# Altium PCB FPGA1.PcbDoc (part 2 of 5)
Units mm, origin at the board's own origin, x right, y up, seen from the top; angles counter-clockwise.
Board outline 170.31 x 110.11 mm, 2 copper layers (Top Layer, Bottom Layer); 219 components, 292 nets, 1138 pads, 447 vias.
Unrouted connection lines stored in the file: 389.
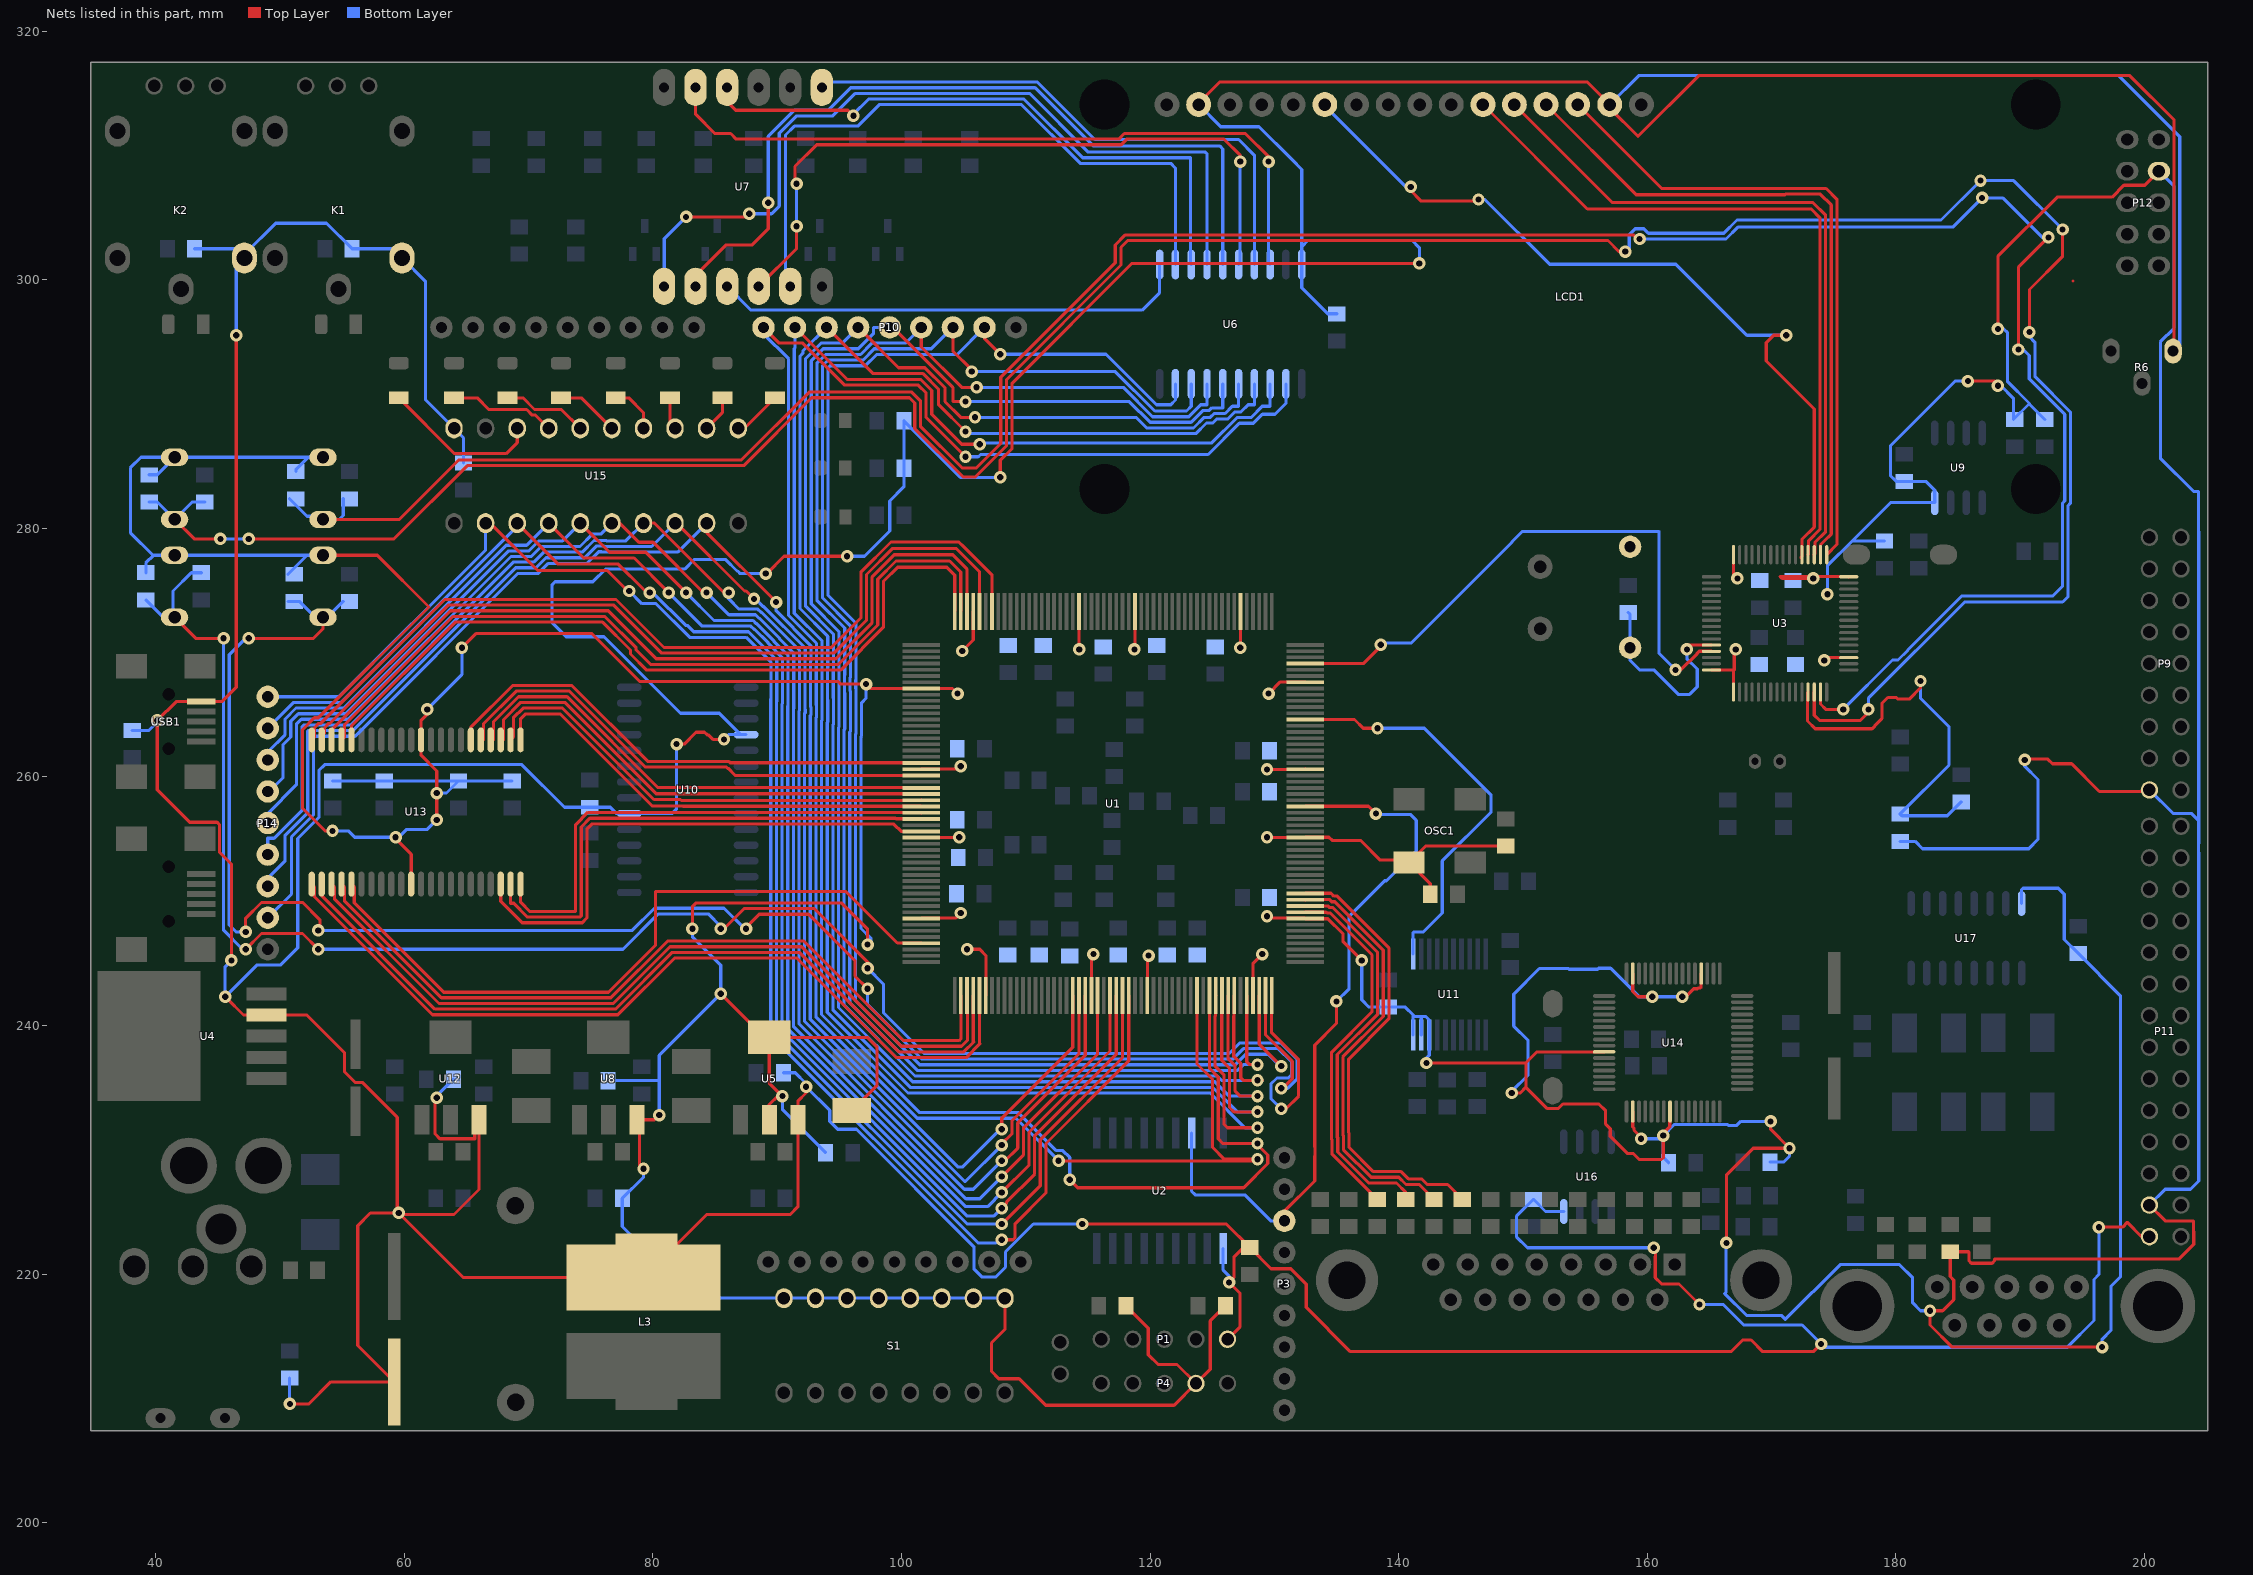
[diagram p2: the nets of this part, all layers, seen from the top]

## Via types
v1: diameter 1, hole 0.5, Top Layer to Bottom Layer, 447 vias

## Nets (pads, with @x,y where several pads share a name; then routed paths per layer and width w, separated by ;. In a path a pad name is that pad's centre, name@x,y a point inside that pad or via, vN(x,y) a via of type N, cw(c..) or ccw(c..) an arc to the next point about the centre after c; other vN are vias at no path point) (continued)
3.3V: C1.2 C2.2 C3.2 C4.2 C5.2 C6.2 C7.2 C8.2 C17.2 C18.2 C25.2 C26.2 C27.2 C28.2 C29.2 C30.2 C31.2 C32.2 C37.2 C38.2 C39.2 C40.2 C43.1 C45.2 C47.2 C48.2 C50.2 C56.2 C57.2 C58.1 C59.1 C66.1 C67.1 C68.1 C69.1 C74.2 C76.2 L1.1 L4.1 L5.1 OSC1.4 P4.4 P9.17 P11.25 P12.4 R1.2 R2.2 R8.2 R14.2 R24.1 R25.1 R48.1 R56.2 S1.9 S1.10 S1.11 S1.12 S1.13 S1.14 S1.15 S1.16 S4.1 S6.2 S7.2 S8.2 S9.2 U1.6 U1.23 U1.32 U1.49 U1.60 U1.73 U1.84 U1.98 U1.110 U1.127 U1.136 U1.153 U1.164 U1.177 U1.188 U1.201 U3.1 U3.19 U3.32 U3.48 U3.64 U5.2 U8.3 U9.8 U11.18 U11.19 U11.20 U13.11 U13.33 U14.20 U14.31 U14.42 U14.50 U14.56 U17.16 | length 872.2
  Top Layer w0.254: S7.2@53.467,277.836 57.825,277.836 61.998,273.663 53.091,264.756 52.775,264.756 51.816,263.797 51.816,257.463 53.628,255.651 v1(54.229,255.651) ; v1(59.309,255.143) 59.309,255.016 60.56,253.765 U13.33@60.56,251.375 ; v1(61.849,265.43) 61.849,265.049 61.36,264.56 U13.11@61.36,262.975 61.36,261.728 62.611,260.477 v1(62.611,258.699) v1(62.611,256.54) ; v1(64.643,270.383) 65.805,271.545 75.069,271.545 78.931,267.683 94.902,267.683 95.123,267.462 v1(97.155,267.462) 97.503,267.114 U1.164@101.595,267.114 104.107,267.114 v1(104.521,266.7) ; v1(79.248,228.473) 78.927,228.794 78.927,232.202 U8.3@78.719,232.41 80.137,232.41 v1(80.518,232.791) ; v1(83.185,247.777) 83.185,249.555 83.49,249.86 95.168,249.86 97.282,247.746 v1(97.282,246.507) ; v1(85.471,242.543) 88.975,239.039 U5.2@89.374,239.039 ; U5.2@89.374,232.41 89.374,233.646 90.043,234.315 v1(90.424,234.315) 89.374,235.365 U5.2@89.374,239.039 ; C43.1@96.01,233.163 98.044,235.197 98.044,238.252 97.257,239.039 U5.2@89.374,239.039 ; U1.201@101.595,248.614 101.618,248.637 104.365,248.637 v1(104.775,249.047) ; U1.188@101.595,255.114 104.613,255.114 104.645,255.146 v1(104.648,255.143) ; U1.177@101.595,260.614 101.618,260.637 104.554,260.637 v1(104.775,260.858) ; v1(104.902,270.129) 105.785,271.012 U1.153@105.785,273.304 ; v1(105.283,246.126) 106.299,246.126 106.794,245.631 106.794,242.42 U1.6@106.785,242.411 ; S1.9@108.331,218.064 108.331,215.546 107.25,214.465 107.25,212.167 107.835,211.582 109.474,211.582 111.614,209.442 121.939,209.442 P4.4@123.698,211.201 ; U1.136@114.294,273.336 114.294,270.262 v1(114.3,270.256) ; U1.23@115.294,242.443 115.294,245.596 v1(115.443,245.745) ; R1.2@118.059,217.449 119.863,215.646 119.863,213.512 120.65,212.725 122.174,212.725 P4.4@123.698,211.201 ; v1(118.745,270.256) 118.794,270.305 U1.127@118.794,273.336 ; U1.32@119.794,242.443 119.794,245.524 v1(119.888,245.618) ; R2.2@126.06,217.449 124.841,216.23 124.841,212.344 P4.4@123.698,211.201 ; v1(127.254,270.383) 127.294,270.423 U1.110@127.294,273.336 ; U1.49@128.294,242.443 128.294,245.007 v1(129.032,245.745) ; v1(129.413,248.793) 129.569,248.637 132.462,248.637 U1.60@132.485,248.614 132.508,248.591 134.308,248.591 135.536,247.363 135.536,246.734 v1(137.033,245.237) ; v1(129.413,255.143) 129.442,255.114 U1.73@132.485,255.114 132.508,255.137 134.388,255.137 134.394,255.143 134.648,254.889 136.933,254.889 138.519,253.303 140.651,253.303 OSC1.4@140.843,253.111 ; v1@129.455,260.646 v1(129.413,260.604) 132.475,260.604 U1.84@132.485,260.614 ; v1(129.54,266.7) 130.486,267.646 130.495,267.637 132.462,267.637 U1.98@132.485,267.614 ; v1(142.24,236.982) 150.241,236.982 ; R56.2@142.545,250.546 142.545,251.409 OSC1.4@140.843,253.111 ; C76.2@148.615,254.432 142.164,254.432 OSC1.4@140.843,253.111 ; v1(149.098,234.569) 149.793,234.569 150.241,235.017 ; U14.42@156.54,237.879 151.138,237.879 150.241,236.982 ; U14.50@158.84,233.079 158.84,231.839 158.942,231.737 158.942,231.583 v1@159.512,231.013 ; U14.31@158.84,244.179 158.84,242.734 159.258,242.316 v1(160.401,242.316) ; U14.56@161.84,233.079 161.817,233.056 161.817,231.852 161.29,231.325 v1(161.29,231.14) 161.29,229.362 161.147,229.219 159.367,229.219 158.897,229.689 158.423,229.689 157.026,231.086 157.026,231.694 156.653,232.067 156.653,233.134 156.107,233.68 153.222,233.68 152.867,233.325 151.933,233.325 150.241,235.017 ; v1(162.814,242.316) 163.105,242.316 163.741,242.952 164.038,242.952 164.102,243.016 164.276,243.016 164.34,243.08 U14.20@164.34,244.179 ; U3.64@165.167,268.601 167.001,268.601 ; v1(166.37,222.504) 166.37,227.964 168.53,230.124 v1(171.45,230.124) 169.926,231.648 v1(169.926,232.283) ; U3.1@166.942,266.826 166.942,268.542 167.001,268.601 ; U3.48@166.942,277.876 166.942,276.035 167.006,275.971 v1(167.259,275.971) ; v1(167.132,270.256) 167.001,270.125 167.001,268.601 ; v1(173.355,275.971) 170.837,275.971 170.699,276.109 176.209,276.109 U3.32@176.217,276.101 ; v1(174.244,269.367) 174.244,269.24 174.605,269.601 U3.19@176.217,269.601 ; v1(185.801,291.846) 187.96,291.846 188.214,291.592 v1(188.214,291.465) ; v1(188.214,296.037) 188.214,301.872 192.985,306.643 197.401,306.643 198.352,307.594 200.025,307.594 P12.4@201.168,308.737 ; v1(190.373,261.366) 190.438,261.431 192.24,261.431 192.613,261.058 194.145,261.058 196.377,258.826 200.279,258.826 P9.17@200.406,258.953 ; v1(196.596,214.122) 184.531,214.122 182.753,215.9 v1(182.753,217.043) 183.769,217.043 184.667,217.941 184.667,219.512 184.379,219.8 R48.1@184.379,221.793 185.858,221.793 185.892,221.759 185.892,221.057 186.083,220.866 187.754,220.866 187.946,221.057 187.946,221.218 202.803,221.218 203.973,222.388 203.973,223.437 203.962,223.448 203.962,224.282 201.676,224.282 P11.25@200.406,225.552 ; 150.241,235.017 150.241,236.982
  Bottom Layer w0.254: C66.1@39.218,276.428 39.218,277.216 39.838,277.836 ; C68.1@39.472,284.302 40.121,284.302 S8.2@41.529,285.71 ; C67.1@50.648,276.301 52.182,277.836 ; C69.1@51.283,284.556 51.283,284.709 52.284,285.71 ; S7.2@53.467,277.836 52.182,277.836 ; S9.2@53.467,285.71 52.284,285.71 ; v1(54.229,255.651) 55.499,255.651 56.007,255.143 v1(59.309,255.143) 59.563,255.143 60.198,255.778 61.849,255.778 v1(62.611,256.54) ; C57.2@54.254,259.664 C56.2@58.395,259.664 C58.1@64.364,259.664 ; v1(61.849,265.43) 64.643,268.224 v1(64.643,270.383) ; v1(62.611,258.699) 63.398,258.699 C58.1@64.364,259.664 ; C59.1@68.682,259.664 C58.1@64.364,259.664 ; C48.2@76.403,235.56 80.416,235.56 80.518,235.458 ; v1(79.248,228.473) 79.248,227.789 R14.2@77.546,226.087 77.546,223.825 83.307,218.064 S1.16@90.551,218.064 S1.15@93.091,218.064 S1.14@95.631,218.064 S1.13@98.171,218.064 S1.12@100.711,218.064 S1.11@103.251,218.064 S1.10@105.791,218.064 S1.9@108.331,218.064 ; v1(80.518,232.791) 80.518,235.458 ; v1(83.185,247.777) 83.185,247.142 85.471,244.856 v1(85.471,242.543) 80.518,237.59 80.518,235.458 ; v1(90.424,234.315) 90.424,233.248 C45.2@93.904,229.768 ; v1(97.155,267.462) 97.155,266.319 96.799,265.963 96.799,263.279 96.753,263.233 96.753,247.798 97.536,247.015 97.536,246.761 v1(97.282,246.507) ; v1(137.033,245.237) 137.033,242.062 137.617,241.478 C50.2@139.167,241.478 140.538,241.478 141.169,240.847 ; U11.20@141.169,239.241 141.169,240.847 ; U11.19@141.819,239.241 141.819,240.705 141.805,240.719 ; v1(142.24,236.982) 142.24,237.363 142.469,237.592 U11.18@142.469,239.241 142.469,240.436 142.186,240.719 141.805,240.719 ; v1(149.098,234.569) 149.098,234.696 150.422,236.02 150.422,238.792 149.268,239.946 149.268,242.52 151.331,244.583 153.648,244.583 153.713,244.518 156.013,244.518 156.097,244.602 157.06,244.602 159.346,242.316 v1(160.401,242.316) v1(162.814,242.316) ; v1(159.512,230.886) 161.036,230.886 v1(161.29,231.14) ; L5.1@161.722,228.956 161.29,229.387 v1(161.29,231.14) ; v1(166.37,222.504) 166.337,222.471 166.337,218.519 166.243,218.425 167.993,216.675 170.787,216.675 171.108,216.354 175.518,220.764 180.302,220.764 181.356,219.71 181.356,217.678 181.991,217.043 v1(182.753,217.043) ; L4.1@169.875,229.006 170.967,229.006 171.45,229.489 v1(171.45,230.124) ; v1(169.926,232.283) 167.54,232.283 167.221,231.964 166.535,231.964 166.47,232.029 162.179,232.029 v1(161.29,231.14) ; v1(174.498,274.701) 174.498,276.987 176.479,278.968 ; R8.2@179.095,278.968 176.479,278.968 ; L1.1@180.365,254.813 181.559,254.813 182.153,254.219 190.693,254.219 191.443,254.969 191.443,259.788 190.373,260.858 v1(190.373,261.366) ; v1(185.801,291.846) 184.785,291.846 179.578,286.639 179.578,284.226 180.035,283.769 C47.2@180.696,283.769 182.423,283.769 183.134,283.058 U9.8@183.134,282.061 179.572,282.061 176.479,278.968 ; v1(188.214,291.465) 188.468,291.465 189.459,290.474 189.459,288.747 190.754,290.043 188.976,291.821 188.976,295.758 188.697,296.037 v1(188.214,296.037) ; U17.16@190.119,249.815 190.119,250.914 190.246,251.041 193.078,251.041 193.548,250.571 193.548,246.913 C74.2@194.666,245.796 198.071,242.39 198.071,224.751 198.077,224.745 198.077,219.771 197.309,219.003 197.309,215.463 196.596,214.75 v1(196.596,214.122) ; 190.754,289.992 R24.1@191.999,288.747 ; P11.25@200.406,225.552 201.676,226.822 203.708,226.822 204.373,227.487 204.373,253.917 204.343,253.947 204.343,254.635 204.373,254.665 204.373,256.457 ; P9.17@200.406,258.953 202.3,257.059 203.771,257.059 204.373,256.457 ; P12.4@201.168,308.737 202.395,307.51 202.395,296.106 201.284,294.995 201.284,285.634 203.962,282.956 204.343,282.956 204.343,279.758 204.373,279.728 204.373,256.457 ; 39.838,277.836 S6.2@41.529,277.836 52.182,277.836 ; 39.838,277.836 39.791,277.836 37.973,279.654 37.973,284.861 38.822,285.71 S8.2@41.529,285.71 ; S8.2@41.529,285.71 52.284,285.71 ; 141.169,240.847 141.297,240.719 141.805,240.719
3.3VA: C34.2 L1.2 U3.13 | length 33.2
  Top Layer w0.254: U3.13@172.942,266.826 172.896,266.78 172.896,264.492 173.514,263.874 178.093,263.874 178.294,264.075 178.294,264.102 178.878,264.686 178.878,265.9 179.362,266.384 180.048,266.384 180.178,266.254 181.088,266.254 181.991,267.157 v1(181.991,267.716)
  Bottom Layer w0.254: v1(181.991,267.716) 181.991,266.319 184.277,264.033 184.277,260.944 180.365,257.032 L1.2@180.365,256.997 180.492,256.87 184.15,256.87 C34.2@185.268,257.988
5V: C19.2 C36.2 C42.2 C44.2 C51.2 C54.2 C70.1 K1.4 K2.4 L3.2 L6.2 LCD1.2 LCD1.15 P1.5 P11.27 R4.2 R5.2 R6.1 R7.2 R29.2 R30.2 R59.1 U2.10 U4.4 U5.3 U6.20 U10.4 U10.20 U12.3 U15.20 U16.8 USB1.1 | length 802.9
  Top Layer w0.254: v1@45.72,242.189 47.069,240.84 U4.4@48.926,240.84 52.156,240.84 55.191,237.805 55.191,236.274 56.042,235.423 56.619,235.423 59.436,232.605 59.436,225.044 v1(59.563,224.917) ; v1(46.101,245.237) 46.101,252.97 45.138,253.933 45.138,256.161 44.946,256.353 42.732,256.353 40.132,258.953 v1(40.132,264.541) 41.646,266.055 USB1.1@43.661,266.055 45.329,266.055 46.482,267.208 v1(46.482,295.529) ; v1(50.8,209.55) 52.324,209.55 54.102,211.328 C36.2@59.182,211.328 56.261,214.249 56.261,223.901 57.277,224.917 v1(59.563,224.917) ; v1(62.611,234.188) 62.484,234.061 62.484,231.267 62.868,230.883 65.673,230.883 65.673,232.41 U12.3@66.019,232.41 66.019,226.801 64.008,224.79 v1@59.69,224.79 ; v1(81.915,262.636) 82.523,262.636 83.477,263.59 84.163,263.59 84.374,263.379 84.474,263.379 84.836,263.017 v1(85.725,263.017) ; v1(89.09,276.352) 89.154,276.352 90.551,277.749 v1(95.631,277.749) v1@95.885,277.749 ; v1(92.329,235.077) 92.329,234.569 91.673,233.913 U5.3@91.673,232.41 91.673,225.404 91.059,224.79 84.328,224.79 L3.2@79.248,219.71 64.77,219.71 v1@59.69,224.79 ; v1(107.95,284.099) 107.95,285.469 108.904,286.423 108.904,291.664 118.549,301.309 v1(141.67,301.309) ; v1(114.554,224.028) 126.136,224.028 C19.2@128.016,222.148 ; LCD1.2@123.912,314.09 123.912,314.212 125.603,315.903 155.174,315.903 LCD1.15@156.987,314.09 156.987,313.802 159.258,311.531 164.144,316.417 198.822,316.417 202.395,312.844 202.395,294.343 R6.1@202.311,294.259 ; P1.5@126.238,214.757 127.254,215.773 127.254,218.44 v1@126.492,219.202 ; v1(126.365,219.329) 126.746,219.71 126.746,221.361 127.533,222.148 C19.2@128.016,222.148 ; v1(160.528,222.123) 160.655,221.996 160.655,221.107 ; 160.654,221.407 160.654,219.711 161.163,219.202 162.56,219.202 v1(164.211,217.551) ; v1(173.99,214.376) 173.374,213.76 169.299,213.76 168.364,214.695 167.678,214.695 166.743,213.76 136.125,213.76 132.567,217.318 132.567,219.181 131.318,220.429 129.735,220.429 C19.2@128.016,222.148 ; v1(196.342,223.774) 198.247,223.774 198.628,224.155 199.771,223.012 P11.27@200.406,223.012 ; v1(59.563,224.917) v1@59.69,224.79
  Bottom Layer w0.254: L6.2@38.125,263.728 39.446,263.728 40.132,264.414 v1(40.132,264.541) ; R5.2@43.129,302.489 46.4,302.489 K2.4@47.137,301.752 ; v1@46.101,245.491 v1(46.101,245.237) 45.593,244.729 v1(45.593,242.316) 48.133,244.856 50.038,244.856 51.435,246.253 51.435,255.038 53.143,256.746 53.143,260.534 53.594,260.985 69.469,260.985 72.898,257.556 C51.2@74.93,257.556 76.581,257.556 77.089,257.048 U10.20@78.104,257.048 81.534,257.048 81.915,257.429 v1(81.915,262.636) ; v1(46.482,295.529) 46.482,301.097 K2.4@47.137,301.752 ; R7.2@50.775,211.633 50.775,209.575 v1(50.8,209.55) ; v1(62.611,234.188) 62.611,234.34 C54.2@63.957,235.687 ; C70.1@64.77,285.267 64.77,287.274 U15.20@64.008,288.036 61.722,290.322 61.722,299.847 K1.4@59.817,301.752 59.08,302.489 R4.2@55.809,302.489 53.752,304.546 49.657,304.546 47.137,302.026 K2.4@47.137,301.752 ; v1(85.725,263.017) 86.106,263.398 U10.4@87.068,263.398 ; U10.4@87.504,263.398 U10.4@87.068,263.398 ; v1(89.09,276.352) 87.036,276.352 86.825,276.563 86.777,276.563 85.864,277.476 83.314,277.476 82.557,276.719 76.19,276.719 75.169,275.698 72.131,275.698 71.901,275.468 71.901,272.415 73.039,271.277 76.073,271.277 82.228,265.122 85.344,265.122 U10.4@87.068,263.398 ; C44.2@90.5,236.195 91.465,236.195 92.329,235.331 v1(92.329,235.077) 94.234,233.172 94.234,232.29 94.876,231.648 96.386,231.648 105.834,222.2 105.834,220.429 106.51,219.753 107.569,219.753 108.374,220.558 108.374,221.785 110.617,224.028 v1(114.554,224.028) ; v1@95.885,277.749 97.028,277.749 99.06,279.781 99.06,282.194 100.199,283.333 R29.2@100.199,284.836 R30.2@100.199,288.646 104.746,284.099 v1(107.95,284.099) ; LCD1.2@123.912,314.09 125.693,312.309 128.769,312.309 131.391,309.687 131.391,309.68 132.207,308.864 132.207,302.641 ; U2.10@125.882,222.043 125.882,220.32 126.365,219.837 v1(126.365,219.329) ; C42.2@135.026,297.256 134.29,297.256 132.207,299.339 U6.20@132.207,301.218 132.207,302.641 ; v1(141.67,301.309) 141.67,302.576 141.097,303.149 132.715,303.149 132.207,302.641 ; U16.8@153.289,225.038 151.822,225.038 R59.1@150.851,226.009 149.479,224.638 149.479,223.012 150.368,222.123 v1(160.528,222.123) ; LCD1.15@156.987,314.09 159.314,316.417 197.933,316.417 202.849,311.501 202.849,294.797 R6.1@202.311,294.259 ; v1(164.211,217.551) 166.116,217.551 167.767,215.9 172.466,215.9 v1(173.99,214.376) 174.256,214.11 193.79,214.11 195.947,216.267 195.947,219.567 196.342,219.962 v1(196.342,223.774)
.: U6.11 U7.9 | length 38.4
  Bottom Layer w0.254: U7.9@85.979,299.466 87.895,297.55 119.369,297.55 120.777,298.958 U6.11@120.777,301.218
._Buf: P10.8 U1.50 U6.9 | length 129.6
  Top Layer w0.254: P10.8@106.68,296.164 106.68,295.275 v1(107.95,294.005) ; U1.50@128.785,242.411 128.785,238.499 v1(130.556,236.728)
  Bottom Layer w0.254: P10.8@106.934,295.91 P10.8@106.68,296.164 104.502,293.986 98.003,293.986 97.095,293.078 94.281,293.078 94.107,292.904 94.107,274.588 96.345,272.35 96.345,267.822 96.328,267.805 96.328,267.119 96.345,267.102 96.345,263.467 96.299,263.421 96.299,242.008 101.468,236.839 126.857,236.839 127.7,237.682 129.502,237.682 130.456,236.728 v1(130.556,236.728) ; v1(107.95,294.005) 116.459,294.005 120.523,289.941 121.666,289.941 122.047,290.322 U6.9@122.047,291.618
A: U6.18 U7.2 | length 58.8
  Top Layer w0.254: U7.2@83.439,315.468 83.439,313.309 84.985,311.763 86.262,311.763 86.716,311.309 117.489,311.309 117.943,311.763 127.657,311.763 129.54,309.88 v1(129.54,309.499)
  Bottom Layer w0.254: v1(129.54,309.499) 129.54,301.345 U6.18@129.667,301.218
A0: U1.183 U13.1 | length 37.2
  Top Layer w0.254: U13.1@69.36,262.975 69.36,264.686 69.723,265.049 72.576,265.049 79.979,257.646 82.414,257.646 82.423,257.637 101.572,257.637 U1.183@101.595,257.614
A1: U1.182 U13.2 | length 38.1
  Top Layer w0.254: U13.2@68.56,262.975 68.783,263.198 68.783,264.751 69.567,265.535 72.732,265.535 80.084,258.183 82.213,258.183 82.296,258.1 101.581,258.1 U1.182@101.595,258.114
A2: U1.181 U13.3 | length 39.1
  Top Layer w0.254: U13.3@67.76,262.975 67.983,262.975 67.983,264.593 69.379,265.989 72.92,265.989 80.272,258.637 101.572,258.637 U1.181@101.595,258.614
A3: U1.180 U13.4 | length 40
  Top Layer w0.254: U13.4@66.96,262.975 67.183,262.975 67.183,264.435 69.191,266.443 73.108,266.443 80.414,259.137 101.572,259.137 U1.180@101.595,259.114
A4: U1.178 U13.5 | length 40.6
  Top Layer w0.254: U13.5@66.16,262.975 66.383,262.975 66.383,264.277 69.003,266.897 73.296,266.897 79.397,260.796 85.907,260.796 86.02,260.683 86.054,260.683 86.614,260.123 101.586,260.123 U1.178@101.595,260.114
A5: U1.156 U13.18 | length 63.6
  Top Layer w0.254: U13.18@55.76,262.975 55.76,264.109 64.104,272.453 75.957,272.453 78.203,270.207 78.203,269.89 79.502,268.591 95.109,268.591 98.552,272.034 98.552,275.717 99.695,276.86 103.659,276.86 104.294,276.225 U1.156@104.294,273.336
A6: U1.155 U13.19 | length 65.3
  Top Layer w0.254: U13.19@54.96,262.975 55.183,263.198 55.183,264.174 63.916,272.907 76.145,272.907 78.657,270.395 78.657,270.212 79.824,269.045 94.921,269.045 98.098,272.222 98.098,275.905 99.561,277.368 103.882,277.368 104.771,276.479 104.771,273.359 U1.155@104.794,273.336
A7: U1.154 U13.20 | length 67
  Top Layer w0.254: U13.20@54.16,262.975 54.16,263.793 63.728,273.361 76.416,273.361 80.278,269.499 94.733,269.499 97.644,272.41 97.644,276.093 99.427,277.876 104.128,277.876 105.271,276.733 105.271,273.359 U1.154@105.294,273.336
A8: U1.152 U13.21 | length 69.1
  Top Layer w0.254: U13.21@53.36,262.975 53.36,263.291 53.583,263.514 53.583,263.964 53.921,264.302 54.027,264.302 63.54,273.815 76.851,273.815 80.713,269.953 94.545,269.953 97.19,272.598 97.19,276.281 99.293,278.384 104.389,278.384 106.294,276.479 U1.152@106.294,273.336
A9: U1.150 U13.22 | length 71.1
  Top Layer w0.254: U13.22@52.56,262.975 52.783,263.198 52.783,263.964 53.121,264.302 53.279,264.302 63.246,274.269 77.039,274.269 80.901,270.407 94.357,270.407 96.736,272.786 96.736,276.469 99.159,278.892 104.627,278.892 104.964,278.555 104.964,278.549 105.448,278.065 105.454,278.065 107.294,276.225 U1.150@107.294,273.336
A10: U1.5 U13.23 | length 68.1
  Top Layer w0.254: U13.23@52.56,251.375 52.783,251.152 52.783,250.359 62.28,240.862 77.187,240.862 81.754,245.429 91.594,245.429 99.606,237.417 105.21,237.417 106.318,238.525 106.285,238.558 U1.5@106.285,242.411
A11: U1.4 U13.24 | length 66.5
  Top Layer w0.254: U13.24@53.36,251.375 53.36,250.424 62.468,241.316 76.999,241.316 81.566,245.883 91.782,245.883 99.794,237.871 105.022,237.871 105.817,238.666 105.785,238.698 U1.4@105.785,242.411
A12: U1.3 U13.25 | length 64.7
  Top Layer w0.254: U13.25@54.16,251.375 54.383,251.152 54.383,250.185 62.798,241.77 76.811,241.77 81.378,246.337 91.97,246.337 99.982,238.325 104.834,238.325 105.317,238.808 105.308,238.817 105.308,242.388 U1.3@105.285,242.411
A13: U1.2 U13.26 | length 63
  Top Layer w0.254: U13.26@54.96,251.375 55.183,251.152 55.183,250.027 62.986,242.224 76.623,242.224 81.19,246.791 92.158,246.791 100.17,238.779 104.646,238.779 104.794,238.927 104.785,238.936 U1.2@104.785,242.411
A14: U1.205 U13.27 | length 57.8
  Top Layer w0.254: U13.27@55.76,251.375 55.983,251.152 55.983,249.869 63.174,242.678 76.435,242.678 80.213,246.456 80.213,250.768 95.544,250.768 99.675,246.637 101.572,246.637 U1.205@101.595,246.614
A15: U1.187 U13.42 | length 43.7
  Top Layer w0.254: U13.42@67.76,251.375 67.76,249.987 69.481,248.266 74.318,248.266 74.695,248.643 74.695,255.783 75.128,256.216 99.345,256.216 99.402,256.159 99.438,256.159 99.983,255.614 U1.187@101.595,255.614
A16: U1.185 U13.43 | length 42.5
  Top Layer w0.254: U13.43@68.56,251.375 68.56,249.829 68.807,249.829 69.916,248.72 74.13,248.72 74.241,248.831 74.241,255.971 74.94,256.67 99.533,256.67 99.566,256.637 101.572,256.637 U1.185@101.595,256.614
A17: U1.184 U13.44 | length 41.4
  Top Layer w0.254: U13.44@69.36,251.375 69.36,249.918 70.104,249.174 73.787,249.174 73.787,256.159 74.774,257.146 74.783,257.137 101.572,257.137 U1.184@101.595,257.114
A_Buf: P10.1 U1.40 U6.2 | length 165.6
  Top Layer w0.254: P10.1@88.9,296.164 90.17,294.894 92.068,294.894 95.443,291.519 101.362,291.519 101.981,290.9 101.981,288.925 v1(105.156,285.75) ; v1(112.649,229.108) 128.524,229.108 v1(128.651,229.235) 125.984,229.235 125.033,230.186 125.033,235.654 123.785,236.902 U1.40@123.785,242.411
  Bottom Layer w0.254: P10.1@89.154,295.91 P10.1@88.9,296.164 88.9,295.656 90.929,293.627 90.929,272.98 93.167,270.742 93.167,269.138 93.15,269.121 93.15,265.803 93.167,265.786 93.167,264.783 93.121,264.737 93.121,240.691 101.275,232.537 109.22,232.537 v1(112.649,229.108) ; v1(105.156,285.75) 106.172,285.75 106.361,285.939 124.677,285.939 127.19,288.452 128.312,288.452 129.039,289.179 130.055,289.179 130.937,290.061 U6.2@130.937,291.618
B: U6.17 U7.6 | length 46.2
  Bottom Layer w0.254: U7.6@93.599,315.468 94.029,315.898 110.949,315.898 115.57,311.277 127.127,311.277 128.397,310.007 U6.17@128.397,301.218
B_Buf: P10.2 U1.42 U6.3 | length 163.6
  Top Layer w0.254: P10.2@91.44,296.164 95.631,291.973 101.55,291.973 102.435,291.088 102.435,289.179 104.848,286.766 v1(106.299,286.766) ; v1(113.538,227.584) 114.173,226.949 127.535,226.949 129.478,228.892 129.478,229.578 128.651,230.405 v1(128.651,230.505) 125.857,230.505 125.487,230.875 125.487,235.842 124.785,236.544 U1.42@124.785,242.411
  Bottom Layer w0.254: P10.2@91.694,295.91 P10.2@91.44,296.164 91.44,294.513 91.383,294.456 91.383,273.168 93.621,270.93 93.621,268.95 93.604,268.933 93.604,265.991 93.621,265.974 93.621,264.595 93.575,264.549 93.575,240.879 101.463,232.991 109.408,232.991 112.464,229.935 112.992,229.935 113.538,229.389 v1(113.538,227.584) ; v1(106.299,286.766) 106.404,286.871 124.967,286.871 127.002,288.906 128.124,288.906 129.032,289.814 129.667,289.814 U6.3@129.667,291.618
BLUE0: R49.2 U1.64 | length 36.8
  Top Layer w0.254: U1.64@132.485,250.614 132.508,250.637 134.55,250.637 134.559,250.646 134.798,250.407 135.06,250.407 139.222,246.245 139.222,240.533 135.976,237.286 135.976,231.377 136.012,231.341 136.012,230.201 137.975,228.238 140.203,228.238 140.784,227.657 141.844,227.657 142.298,227.203 143.942,227.203 R49.2@145.136,226.009
BLUE1: R47.2 U1.63 | length 34.3
  Top Layer w0.254: U1.63@132.485,250.114 132.508,250.137 134.408,250.137 134.417,250.146 134.61,249.953 134.872,249.953 138.768,246.057 138.768,240.721 135.522,237.474 135.522,231.189 135.558,231.153 135.558,230.013 137.787,227.784 140.015,227.784 140.596,227.203 141.656,227.203 R47.2@142.85,226.009
BLUE2: R45.2 U1.62 | length 32.2
  Top Layer w0.254: U1.62@132.485,249.614 132.494,249.623 134.298,249.623 134.422,249.499 134.684,249.499 138.314,245.869 138.314,240.909 135.068,237.662 135.068,231.001 135.104,230.965 135.104,229.825 137.599,227.33 139.827,227.33 140.564,226.593 R45.2@140.564,226.009
BLUE3: R44.2 U1.61 | length 29.3
  Top Layer w0.254: U1.61@132.485,249.114 134.165,249.114 134.234,249.045 134.496,249.045 137.86,245.681 137.86,241.097 134.614,237.85 134.614,230.813 134.65,230.777 134.65,229.637 R44.2@138.278,226.009
BOOT0: R9.2 S4.2 U3.60 | length 16.9
  Top Layer w0.254: v1@162.814,270.129 v1@162.941,270.256 ; v1(163.195,270.256) v1@162.941,270.256 ; U3.60@165.167,270.601 163.286,270.601 v1@162.941,270.256
  Bottom Layer w0.254: R9.2@158.471,273.228 158.623,273.075 S4.2@158.623,270.383 158.623,269.367 159.385,268.605 160.528,268.605 162.495,266.638 163.414,266.638 164.022,267.246 164.022,268.674 163.195,269.501 v1(163.195,270.256)
BUT_RISE1: C66.2 R39.2 S6.1 U1.51 | length 146.2
  Top Layer w0.254: S6.1@41.529,272.836 43.22,271.145 v1(45.466,271.145) ; v1(47.244,246.126) 48.514,247.396 51.816,247.396 v1(53.086,246.126) ; v1(85.471,247.777) 85.725,247.777 87.354,249.406 92.986,249.406 97.663,244.729 v1@97.663,244.475 ; U1.51@129.285,242.411 129.285,239.269 131.445,237.109 131.445,235.712 v1@130.683,234.95
  Bottom Layer w0.254: C66.2@39.218,274.244 40.625,272.836 41.402,272.836 41.402,274.955 42.875,276.428 R39.2@43.686,276.428 ; S6.1@41.529,272.415 S6.1@41.529,272.836 ; v1(45.466,271.145) 45.466,247.65 v1@46.99,246.126 ; v1(53.086,246.126) 77.597,246.126 80.445,248.974 84.455,248.974 85.471,247.958 v1(85.471,247.777) v1@85.471,247.65 ; v1(97.282,244.602) 98.552,243.332 98.552,241.039 101.844,237.747 126.368,237.747 127.211,238.59 130.506,238.59 131.837,237.259 131.837,235.712 131.075,234.95 v1(130.556,234.95)
BUT_RISE2: C67.2 R40.2 S7.1 U1.52 | length 150.6
  Top Layer w0.254: v1(47.244,247.523) 47.244,248.623 48.514,249.893 51.834,249.893 53.213,248.514 v1@53.213,247.65 ; v1(47.498,271.145) 52.705,271.145 53.467,271.907 S7.1@53.467,272.836 ; v1(87.503,247.777) 87.503,247.904 88.551,248.952 92.532,248.952 96.266,245.218 96.266,243.967 v1(97.282,242.951) ; U1.52@129.785,242.411 129.785,239.411 131.953,237.243 131.953,234.315 130.937,233.299 v1@130.683,233.299
  Bottom Layer w0.254: v1(47.244,247.523) 46.482,247.523 45.92,248.085 45.92,269.821 47.244,271.145 v1(47.498,271.145) ; C67.2@50.648,274.117 51.551,274.117 52.832,272.836 S7.1@53.467,272.836 53.812,272.836 R40.2@55.093,274.117 ; v1(53.086,247.65) 78.359,247.65 80.137,249.428 85.725,249.428 v1@87.503,247.65 ; v1(97.282,242.951) 97.282,241.667 101.656,237.293 126.669,237.293 127.512,238.136 130.318,238.136 131.383,237.071 131.383,236.028 131.132,235.777 130.213,235.777 129.729,235.293 129.729,234.126 v1(130.556,233.299)
BUT_RISE3: C68.2 R41.2 S8.1 U3.14 | length 243.2
  Top Layer w0.254: S8.1@41.529,280.71 43.093,279.146 v1(45.212,279.146) ; v1(47.498,279.146) 59.182,279.146 65.078,285.042 87.31,285.042 92.771,290.503 100.65,290.503 101.073,290.08 101.073,288.021 104.968,284.126 105.945,284.126 108.45,286.631 108.45,291.965 117.664,301.179 117.664,302.603 118.21,303.149 156.845,303.149 157.734,302.26 v1(158.242,302.26) ; U3.14@173.442,266.826 173.442,264.962 173.863,264.541 177.165,264.541 177.8,265.176 v1(177.8,265.43) ; v1(190.754,295.783) 190.754,299.212 193.421,301.879 v1(193.421,304.038)
  Bottom Layer w0.254: C68.2@39.472,282.118 40.121,282.118 S8.1@41.529,280.71 42.937,282.118 R41.2@43.967,282.118 ; v1(45.212,279.146) v1(47.498,279.146) ; v1(158.242,302.26) 158.558,302.576 158.558,303.619 159.042,304.103 159.728,304.103 160.093,303.737 166.163,303.737 167.225,304.8 183.642,304.8 v1(186.817,307.975) 189.484,307.975 v1(193.421,304.038) ; v1(177.8,265.43) 177.8,266.319 185.547,274.066 193.421,274.066 193.862,274.507 193.862,281.832 194.043,282.013 194.043,289.354 191.208,292.189 191.208,294.168 191.189,294.187 191.189,294.967 190.754,295.402 v1(190.754,295.783)
BUT_RISE4: C69.2 R42.2 S9.1 U3.15 | length 223.5
  Top Layer w0.254: S9.1@53.467,280.71 59.603,280.71 64.389,285.496 87.122,285.496 92.583,290.957 100.838,290.957 101.527,290.268 101.527,288.209 104.875,284.861 106.038,284.861 107.996,286.819 107.996,292.153 117.21,301.367 117.21,302.791 118.022,303.603 158.877,303.603 159.204,303.276 v1(159.385,303.276) ; U3.15@173.942,266.826 173.942,265.859 174.371,265.43 v1(175.768,265.43) ; v1(189.865,294.386) 189.865,300.99 v1(192.278,303.403)
  Bottom Layer w0.254: C69.2@50.775,282.372 52.182,280.964 52.538,280.964 52.792,280.71 S9.1@53.467,280.71 54.777,280.71 55.093,281.026 R42.2@55.093,282.372 ; v1(159.385,303.276) 166.343,303.276 167.297,304.23 184.596,304.23 v1(186.944,306.578) 188.595,306.578 191.77,303.403 v1(192.278,303.403) ; v1(175.768,265.43) 179.74,269.402 180.181,269.402 180.978,270.2 180.978,270.235 185.293,274.55 192.635,274.55 193.408,275.323 193.408,282.02 193.589,282.201 193.589,289.166 190.735,292.02 190.735,293.897 190.246,294.386 v1(189.865,294.386)
BUZZ_1: P3.7 U1.78 U2.7 | length 59.3
  Top Layer w0.254: P3.7@130.81,224.282 130.81,225.044 133.252,227.486 133.252,229.491 133.288,229.527 133.288,230.213 133.252,230.249 133.252,238.415 135.001,240.164 v1(135.001,241.935) ; U1.78@132.485,257.614 132.508,257.637 137.569,257.637 137.578,257.646 v1(138.176,257.048)
  Bottom Layer w0.254: U2.7@123.342,231.347 123.342,226.67 123.644,226.368 127.623,226.368 129.709,224.282 P3.7@130.81,224.282 ; v1(135.001,241.935) 136.017,242.951 136.017,248.793 138.873,251.649 139.027,251.649 141.416,254.038 141.416,256.502 140.932,256.986 138.238,256.986 v1(138.176,257.048)
C: U6.16 U7.10 | length 57.1
  Top Layer w0.254: U7.10@88.519,299.466 91.567,302.514 v1(91.567,304.292) ; v1(91.567,307.721) 91.44,307.848 91.44,309.118 93.177,310.855 117.677,310.855 118.131,311.309 125.952,311.309 127.254,310.007 v1(127.254,309.499)
  Bottom Layer w0.254: v1(91.567,304.292) v1(91.567,307.721) ; U6.16@127.127,301.218 127.254,301.345 v1(127.254,309.499)
C_Buf: P10.3 U1.43 U6.4 | length 150.8
  Top Layer w0.254: P10.3@93.98,296.164 97.682,292.462 101.703,292.462 102.997,291.168 102.997,289.941 v1(105.156,287.782) ; U1.43@125.285,242.411 125.262,242.388 125.262,240.776 125.239,240.753 125.239,236.732 125.941,236.03 125.941,232.072 126.238,231.775 v1(128.651,231.775) v1@128.778,231.775
  Bottom Layer w0.254: P10.3@94.234,295.91 P10.3@93.98,296.164 92.075,294.259 92.075,294.082 91.837,293.844 91.837,273.542 94.075,271.304 94.075,268.762 94.058,268.745 94.058,266.179 94.075,266.162 94.075,264.407 94.029,264.361 94.029,241.068 100.528,234.569 124.841,234.569 127.635,231.775 v1(128.651,231.775) v1@128.778,231.775 ; v1(105.156,287.782) 105.321,287.617 123.688,287.617 124.542,288.471 125.043,288.471 125.351,288.779 126.233,288.779 126.814,289.36 127.315,289.36 127.896,289.941 128.397,289.941 U6.4@128.397,291.618
CE: U1.176 U13.6 | length 41.2
  Top Layer w0.254: U13.6@65.36,262.975 65.36,263.988 68.723,267.351 73.484,267.351 79.585,261.25 86.095,261.25 86.208,261.137 101.572,261.137 U1.176@101.595,261.114
D: U6.15 U7.8 | length 65.3
  Top Layer w0.254: U7.8@83.439,299.466 83.439,300.355 85.868,302.784 87.973,302.784 89.281,304.092 v1(89.281,306.197)
  Bottom Layer w0.254: v1(89.281,306.197) 89.281,311.531 91.391,313.641 94.107,313.641 95.91,315.444 110.761,315.444 115.436,310.769 125.603,310.769 125.857,310.515 U6.15@125.857,301.218
D1: D12.1 U15.18 | length 12.9
  Top Layer w0.254: D12.1@59.563,290.489 64.048,286.004 68.199,286.004 69.088,286.893 U15.18@69.088,288.036
D2: D13.1 U15.17 | length 8.6
  Top Layer w0.254: D13.1@64.008,290.489 65.873,290.489 66.802,289.56 69.843,289.56 70.297,289.106 70.558,289.106 U15.17@71.628,288.036
D3: D14.1 U15.16 | length 6.9
  Top Layer w0.254: D14.1@68.308,290.489 69.556,290.489 70.485,289.56 72.644,289.56 U15.16@74.168,288.036
D4: D15.1 U15.15 | length 5.1
  Top Layer w0.254: D15.1@72.619,290.489 74.255,290.489 U15.15@76.708,288.036
D5: D16.1 U15.14 | length 4
  Top Layer w0.254: D16.1@77.021,290.489 78.065,290.489 79.248,289.306 U15.14@79.248,288.036
D6: D17.1 U15.13 | length 2.6
  Top Layer w0.254: D17.1@81.385,290.489 81.385,288.439 U15.13@81.788,288.036
D7: D18.1 U15.12 | length 3
  Top Layer w0.254: U15.12@84.328,288.036 85.598,289.306 D18.1@85.598,290.489
D8: D19.1 U15.11 | length 4
  Top Layer w0.254: U15.11@86.868,288.036 87.379,288.036 D19.1@89.832,290.489
D_Buf: P10.4 U1.44 U6.5 | length 145.7
  Top Layer w0.254: P10.4@96.52,296.164 99.768,292.916 101.891,292.916 103.505,291.302 103.505,290.188 104.768,288.925 v1(105.918,288.925) ; U1.44@125.794,242.443 125.771,242.443 125.771,237.195 126.395,236.571 126.395,233.396 126.746,233.045 v1(128.651,233.045) v1@128.778,233.045
  Bottom Layer w0.254: P10.4@96.774,295.91 P10.4@96.52,296.164 95.25,294.894 93.529,294.894 92.291,293.656 92.291,273.73 94.529,271.492 94.529,268.574 94.512,268.557 94.512,266.367 94.529,266.35 94.529,264.219 94.483,264.173 94.483,241.256 100.716,235.023 125.029,235.023 127.007,233.045 v1(128.651,233.045) v1@128.778,233.045 ; v1(105.918,288.925) 118.872,288.925 119.726,288.071 123.5,288.071 124.354,288.925 124.855,288.925 125.163,289.233 126.045,289.233 126.626,289.814 127.127,289.814 U6.5@127.127,291.618
DD4: LCD1.11 U3.36 | length 58.4
  Top Layer w0.254: LCD1.11@146.787,314.09 155.188,305.689 173.202,305.689 173.898,304.993 173.898,279.905 172.988,278.995 172.988,277.934 172.936,277.882 U3.36@172.942,277.876
DD5: LCD1.12 U3.35 | length 56.4
  Top Layer w0.254: LCD1.12@149.312,314.09 157.205,306.197 173.336,306.197 174.352,305.181 174.352,279.717 173.488,278.853 173.488,277.922 U3.35@173.442,277.876
DD6: LCD1.13 U3.34 | length 54.8
  Top Layer w0.254: LCD1.13@151.862,314.09 159.12,306.832 171.069,306.832 171.123,306.886 173.936,306.886 174.806,306.016 174.806,279.527 174.257,278.978 174.255,278.978 173.942,278.665 U3.34@173.942,277.876
DD7: LCD1.14 U3.33 | length 52.9
  Top Layer w0.254: LCD1.14@154.412,314.09 161.162,307.34 174.394,307.34 175.26,306.474 175.26,278.694 U3.33@174.442,277.876
DIN_92: U1.92 U11.1 | length 33.3
  Top Layer w0.254: U1.92@132.485,264.614 136.452,264.614 137.16,263.906 v1(138.303,263.906)
  Bottom Layer w0.254: v1(138.303,263.906) 142.072,263.906 147.447,258.531 147.447,257.175 143.51,253.238 143.51,249.049 141.984,247.523 141.224,247.523 141.169,247.468 U11.1@141.169,245.747
DX_1: P14.1 U1.29 U15.2 | length 131.3
  Top Layer w0.254: U15.2@66.548,280.416 66.929,280.416 70.739,276.606 76.327,276.606 v1@77.724,275.209 ; v1@107.95,222.758 v1(108.077,222.758) 108.966,222.758 109.147,222.939 109.147,224.055 111.633,226.541 111.633,230.505 118.285,237.157 U1.29@118.285,242.411
  Bottom Layer w0.254: P14.1@49.022,266.446 54.737,266.446 66.548,278.257 U15.2@66.548,280.416 ; v1(78.105,274.955) 79.121,273.939 80.257,273.939 82.973,271.223 87.51,271.223 89.518,269.215 89.518,266.27 89.489,266.241 89.489,239.187 106.172,222.504 107.596,222.504
DX_2: P14.2 U1.28 U15.3 | length 128.9
  Top Layer w0.254: U15.3@69.088,280.416 72.39,277.114 77.216,277.114 79.248,275.082 ; v1@107.95,224.028 108.05,224.028 108.077,224.001 111.174,227.098 111.174,230.808 117.783,237.417 117.783,237.681 117.785,237.683 U1.28@117.785,242.411
  Bottom Layer w0.254: P14.2@49.022,263.906 51.108,265.992 54.925,265.992 69.088,280.155 U15.3@69.088,280.416 ; v1(79.756,274.828) 80.01,274.828 82.653,272.185 82.78,272.185 83.288,271.677 87.698,271.677 89.972,269.403 89.972,266.082 89.943,266.053 89.943,239.375 105.29,224.028 v1@107.95,224.028
  other v1: 108.077,224.028
DX_3: P14.3 U1.27 U15.4 | length 130.1
  Top Layer w0.254: U15.4@71.628,280.416 74.422,277.622 76.32,277.622 76.329,277.613 78.495,277.613 v1(81.28,274.828) ; v1@108.204,225.298 v1(108.077,225.298) 108.444,225.665 108.444,225.765 110.72,228.041 110.72,231.116 117.285,237.681 U1.27@117.285,242.411
  Bottom Layer w0.254: P14.3@49.022,261.366 49.022,262.001 50.419,263.398 50.419,264.661 51.296,265.538 55.113,265.538 68.213,278.638 69.85,278.638 U15.4@71.628,280.416 ; v1(81.28,274.828) 83.977,272.131 87.886,272.131 88.138,271.879 88.178,271.879 89.281,270.776 89.281,270.736 90.426,269.591 90.426,265.894 90.397,265.865 90.397,239.563 105.297,224.663 107.415,224.663 108.05,225.298 v1(108.077,225.298)
DX_4: P14.4 U1.26 U15.5 | length 130.7
  Top Layer w0.254: U15.5@74.168,280.416 76.517,278.066 79.438,278.066 v1(82.677,274.828) ; v1(108.077,226.568) 110.266,228.757 110.266,231.424 116.785,237.943 U1.26@116.785,242.411
  Bottom Layer w0.254: P14.4@49.022,258.826 49.149,258.826 50.249,259.926 50.249,262.586 50.873,263.21 50.873,264.473 51.484,265.084 55.301,265.084 68.401,278.184 70.038,278.184 70.843,278.989 72.741,278.989 U15.5@74.168,280.416 ; v1(82.677,274.828) 84.92,272.585 88.074,272.585 88.326,272.333 88.366,272.333 89.735,270.964 89.735,270.924 90.88,269.779 90.88,265.706 90.851,265.677 90.851,239.751 105.177,225.425 106.934,225.425 v1(108.077,226.568)
DX_5: P14.5 U1.24 U15.6 | length 131
  Top Layer w0.254: U15.6@76.708,280.416 77.343,280.416 78.881,278.878 80.024,278.878 84.074,274.828 v1(84.328,274.828) ; v1(108.077,227.838) 109.812,229.573 109.812,231.732 115.785,237.705 U1.24@115.785,242.411
  Bottom Layer w0.254: P14.5@49.022,256.286 49.022,257.048 51.327,259.353 51.327,264.23 51.727,264.63 55.489,264.63 68.589,277.73 70.226,277.73 71.031,278.535 74.139,278.535 75.131,279.527 75.819,279.527 U15.6@76.708,280.416 ; v1(84.328,274.828) 86.117,273.039 88.262,273.039 88.514,272.787 88.554,272.787 90.189,271.152 90.189,271.112 91.351,269.95 91.351,269.89 91.334,269.873 91.334,265.518 91.305,265.489 91.305,239.939 105.184,226.06 106.299,226.06 v1(108.077,227.838)
DX_6: P14.6 U1.22 U15.7 | length 132.2
  Top Layer w0.254: U15.7@79.248,280.416 80.137,280.416 85.725,274.828 v1(86.106,274.828) ; v1(108.077,229.108) 108.331,229.108 109.358,230.135 109.358,232.167 114.785,237.594 U1.22@114.785,242.411
  Bottom Layer w0.254: P14.6@49.022,253.746 49.022,255.059 49.53,255.059 51.781,257.31 51.781,264.042 51.915,264.176 55.677,264.176 68.777,277.276 70.414,277.276 71.219,278.081 74.327,278.081 75.265,279.019 76.253,279.019 76.283,278.989 77.821,278.989 U15.7@79.248,280.416 ; v1(86.106,274.828) 86.106,274.32 86.933,273.493 88.45,273.493 88.702,273.24 88.743,273.24 91.805,270.178 91.805,269.702 91.788,269.685 91.788,265.33 91.759,265.301 91.759,240.127 105.064,226.822 105.791,226.822 v1(108.077,229.108)
DX_7: P14.7 U1.21 U15.8 | length 132
  Top Layer w0.254: U15.8@81.788,280.416 81.915,280.416 87.376,274.955 87.503,274.955 v1(88.138,274.32) ; v1(108.077,230.378) 108.077,230.478 108.904,231.305 108.904,232.355 114.285,237.736 U1.21@114.285,242.411
  Bottom Layer w0.254: P14.7@49.022,251.206 49.022,251.841 50.419,253.238 50.419,255.306 52.235,257.122 52.235,263.69 52.267,263.722 55.865,263.722 68.965,276.822 70.602,276.822 71.407,277.627 74.515,277.627 75.453,278.565 76.065,278.565 76.095,278.535 79.907,278.535 U15.8@81.788,280.416 ; v1(88.138,274.32) 88.265,274.32 88.891,273.694 88.931,273.694 92.259,270.366 92.259,269.514 92.242,269.497 92.242,265.427 92.259,265.41 92.259,265.159 92.213,265.113 92.213,240.315 105.071,227.457 105.156,227.457 v1(108.077,230.378)
DX_8: P14.8 U1.20 U15.9 | length 133
  Top Layer w0.254: U15.9@84.328,280.416 84.328,279.654 v1(89.916,274.066) ; v1@107.95,231.648 v1(108.077,231.648) 108.077,232.537 113.785,238.245 U1.20@113.785,242.411
  Bottom Layer w0.254: P14.8@49.022,248.666 50.927,250.571 50.927,255.172 52.689,256.934 52.689,263.128 52.829,263.268 56.053,263.268 69.153,276.368 70.79,276.368 71.595,277.173 74.704,277.173 75.642,278.111 75.877,278.111 75.907,278.081 81.993,278.081 U15.9@84.328,280.416 ; v1(89.916,274.066) 89.916,273.351 92.713,270.554 92.713,269.326 92.696,269.309 92.696,265.615 92.713,265.598 92.713,264.971 92.667,264.925 92.667,240.503 104.57,228.6 104.902,228.6 v1@107.95,231.648
E: U6.14 U7.7 | length 66.7
  Top Layer w0.254: v1(82.677,305.054) 87.503,305.054 v1(87.757,305.308)
  Bottom Layer w0.254: U7.7@80.899,299.466 80.921,299.488 80.921,303.298 v1(82.677,305.054) ; v1(87.757,305.308) 89.562,305.308 90.17,305.916 90.17,311.778 91.567,313.175 94.481,313.175 96.296,314.99 110.307,314.99 115.036,310.261 124.46,310.261 124.587,310.134 U6.14@124.587,301.218
E_Buf: P10.5 U1.45 U6.6 | length 141.2
  Top Layer w0.254: P10.5@99.06,296.164 99.314,296.164 104.14,291.338 104.14,290.195 v1(105.156,290.195) ; U1.45@126.285,242.411 126.285,237.323 126.849,236.759 126.849,234.72 127.254,234.315 v1(128.651,234.315) v1@128.905,234.315
  Bottom Layer w0.254: P10.5@99.314,295.91 P10.5@99.06,296.164 97.747,296.164 97.747,295.656 96.531,294.44 93.717,294.44 92.745,293.468 92.745,273.918 94.983,271.68 94.983,268.386 94.966,268.369 94.966,266.555 94.983,266.538 94.983,264.031 94.937,263.985 94.937,241.444 100.904,235.477 125.217,235.477 126.379,234.315 v1(128.651,234.315) v1@128.905,234.315 ; v1(105.156,290.195) 118.343,290.195 120.013,288.525 123.312,288.525 124.274,289.487 124.775,289.487 124.975,289.687 125.857,289.687 U6.6@125.857,291.618
E_LCD: LCD1.6 U3.37 | length 66.2
  Top Layer w0.254: v1(140.97,307.467) 140.97,307.244 140.939,307.213 141.828,306.324 v1@146.304,306.324 ; v1(171.196,295.529) 170.18,295.529 169.583,294.932 169.583,293.459 173.444,289.598 173.444,280.093 172.444,279.093 172.444,277.736 172.394,277.686 U3.37@172.394,277.603
  Bottom Layer w0.254: LCD1.6@134.062,314.09 134.062,313.994 140.589,307.467 v1(140.97,307.467) ; v1(146.431,306.451) 146.939,306.451 152.146,301.244 162.306,301.244 168.021,295.529 v1(171.196,295.529)
F: U6.13 U7.3 | length 50.1
  Top Layer w0.254: U7.3@85.979,315.468 85.979,314.325 86.676,313.628 95.693,313.628 v1(96.139,313.182)
  Bottom Layer w0.254: v1(96.139,313.182) 96.139,313.309 97.366,314.536 109.853,314.536 114.582,309.807 123.263,309.807 123.263,301.272 U6.13@123.317,301.218
F_Buf: P10.6 U1.46 U6.7 | length 136.4
  Top Layer w0.254: P10.6@101.6,296.164 101.6,294.586 104.848,291.338 v1(106.045,291.338) ; U1.46@126.785,242.411 126.762,242.388 126.762,240.776 126.739,240.753 126.739,237.511 127.303,236.947 127.303,235.79 127.508,235.585 v1(128.651,235.585) v1@129.032,235.585
  Bottom Layer w0.254: P10.6@101.854,295.91 P10.6@101.6,296.164 100.33,294.894 97.627,294.894 96.719,293.986 93.905,293.986 93.199,293.28 93.199,274.212 95.437,271.974 95.437,268.198 95.42,268.181 95.42,266.743 95.437,266.726 95.437,263.843 95.391,263.797 95.391,241.632 101.092,235.931 125.405,235.931 125.751,235.585 v1(128.651,235.585) v1@129.032,235.585 ; v1(106.045,291.338) 117.842,291.338 120.201,288.979 123.124,288.979 124.086,289.941 124.587,289.941 U6.7@124.587,291.618
FTOU: U1.101 U3.61 | length 48.2
  Top Layer w0.254: U1.101@132.485,269.114 137.168,269.114 138.557,270.503 v1(138.557,270.637) ; v1(162.279,268.605) 162.714,268.605 164.022,269.913 164.022,269.94 164.183,270.101 U3.61@165.167,270.101
  Bottom Layer w0.254: v1(138.557,270.637) 138.695,270.775 141.029,270.775 149.123,278.869 149.123,278.917 149.944,279.738 160.945,279.738 160.963,279.72 160.963,269.921 v1(162.279,268.605)
G: U6.12 U7.11 | length 54.6
  Bottom Layer w0.254: U7.11@91.059,299.466 90.678,299.847 90.678,311.644 91.389,312.355 96.482,312.355 98.209,314.082 109.665,314.082 114.394,309.353 121.666,309.353 122.047,308.972 U6.12@122.047,301.218
G_Buf: P10.7 U1.48 U6.8 | length 131
  Top Layer w0.254: P10.7@104.14,296.164 104.14,294.266 105.664,292.742 v1(105.664,292.608) ; U1.48@127.785,242.411 127.785,237.086 128.016,236.855 v1(128.651,236.855)
  Bottom Layer w0.254: P10.7@104.394,295.91 P10.7@104.14,296.164 102.416,294.44 97.815,294.44 96.907,293.532 94.093,293.532 93.653,293.092 93.653,274.4 95.891,272.162 95.891,268.01 95.874,267.993 95.874,266.931 95.891,266.914 95.891,263.655 95.845,263.609 95.845,241.82 101.28,236.385 127.045,236.385 127.515,236.855 v1(128.651,236.855) ; v1(105.664,292.608) 117.214,292.608 120.389,289.433 122.936,289.433 123.317,289.814 U6.8@123.317,291.618